# Altium PCB SG1.PcbDoc (part 2 of 3)
Units mil, origin at the board's own origin, x right, y up, seen from the top; angles counter-clockwise.
Board outline 5869 x 5955 mil, 6 copper layers (Top Layer, GND, PWR, SIGN, GND (Plane2), Bottom Layer), stack 61.068 mil thick; 119 components, 91 nets, 465 pads, 399 vias.
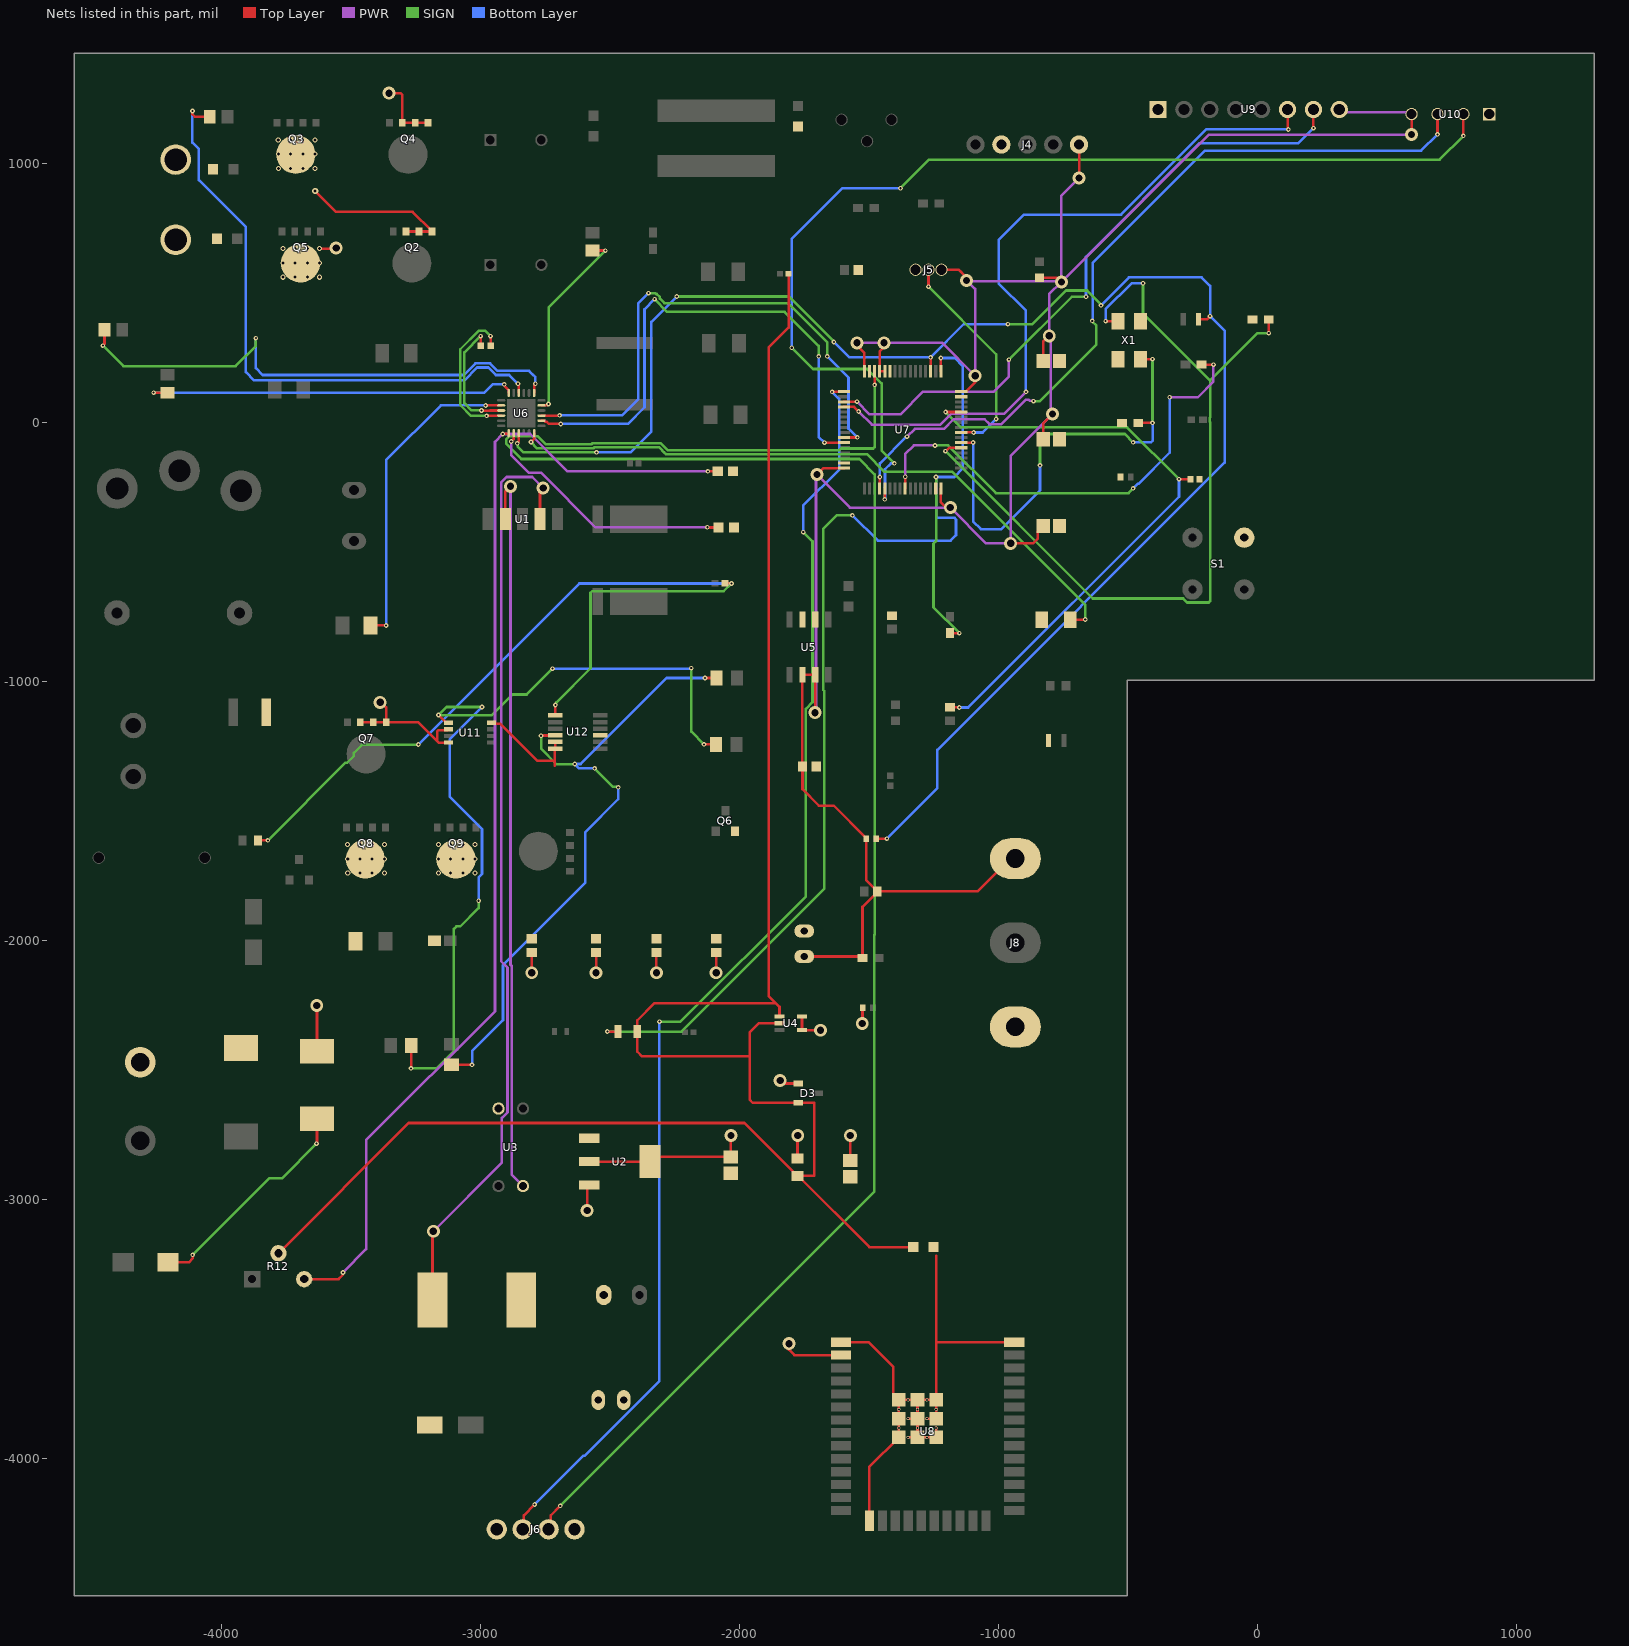
[diagram p6: the nets of this part, all layers, seen from the top]

## Part data (continued)
D7: "DIODE SCHOTTKY 40V 1A DO214AC", Capacitance @ Vr, F="65pF @ 4V, 1MHz", Current - Average Rectified (Io)=1A, Current - Reverse Leakage @ Vr="500 µA @ 40 V", Manufacturer="Comchip Technology", Operating Temperature - Junction="-55°C ~ 125°C", Package / Case="DO-214AC, SMA", Supplier Device Package="DO-214AC (SMA)", Supplier Part Number 1=641-1872-1-ND, Voltage - DC Reverse (Vr) (Max)="40 V", Voltage - Forward (Vf) (Max) @ If="500 mV @ 1 A", ComponentLink1Description=Datasheet, ComponentLink1URL=http://www.comchiptech.com/admin/files/product/ACDBA140-HF%20RevA666308.pdf, ComponentLink2Description="DigiKey Link", ComponentLink2URL=https://www.digikey.com/en/products/detail/comchip-technology/ACDBA140-HF/7100722, Diode Type=Schottky, lastupdated="3.06.2024 19:54:32", Lifecycle Status=Active, Minimum Order=1, Mounting Type="Surface Mount", Packaging=TapeAndReel, Part Number=ACDBA140-HF, Part Status=Active, PartId=2046, price=0.07, Series="Automotive, AEC-Q101", Speed="Fast Recovery =< 500ns, > 200mA (Io)", Supplier 1=DigiKey
D8: "SMAJ Series 400 W 24 V Uni-Directional Surface Mount TVS Diode - DO-214AC", Breakdown Voltage=28.1V, Case/Package=SMA, Clamping Voltage=38.9V, Forward Voltage=3.5V, Leakage Current=1µA, Manufacturer=Littelfuse, Max Breakdown Voltage=29.5V, Max Junction Temperature (Tj)=150°C, Max Output current=10.3A, Max Power Dissipation=3.3W, Min Breakdown Voltage=26.7V, Min Operating Temperature=-65°C, Operating Supply Voltage=24V, Peak Pulse Power=400W, Power Line Protection=No, Test Current=1mA, Category="TVS Diodes", China RoHS=Non-Compliant, ComponentLink1Description=https://datasheet.octopart.com:443/SMAJ24A-Littelfuse-datasheet-150463581.pdf?src-supplier=Farnell, ComponentLink1URL=https://datasheet.octopart.com:443/SMAJ24A-Littelfuse-datasheet-150463581.pdf?src-supplier=Farnell, ComponentLink2Description=https://datasheet.octopart.com:443/SMAJ24A-Littelfuse-datasheet-63710798.pdf?src-supplier=element14+APAC, ComponentLink2URL=https://datasheet.octopart.com:443/SMAJ24A-Littelfuse-datasheet-63710798.pdf?src-supplier=element14+APAC, ComponentLink3Description=https://datasheet.octopart.com:443/SMAJ24A-Littelfuse-datasheet-11547152.pdf?src-supplier=element14+APAC, ComponentLink3URL=https://datasheet.octopart.com:443/SMAJ24A-Littelfuse-datasheet-11547152.pdf?src-supplier=element14+APAC, ComponentLink4Description=https://datasheet.octopart.com:443/SMAJ24A-Littelfuse-datasheet-5393952.pdf?src-supplier=element14+APAC, ComponentLink4URL=https://datasheet.octopart.com:443/SMAJ24A-Littelfuse-datasheet-5393952.pdf?src-supplier=element14+APAC, ComponentLink5Description=https://datasheet.octopart.com:443/SMAJ24A-Littelfuse-datasheet-511791.pdf?src-supplier=element14+APAC, ComponentLink5URL=https://datasheet.octopart.com:443/SMAJ24A-Littelfuse-datasheet-511791.pdf?src-supplier=element14+APAC, ComponentLink6Description=https://datasheet.octopart.com:443/SMAJ24A-Littelfuse-datasheet-164649624.pdf?src-supplier=JRH+Electronics, ComponentLink6URL=https://datasheet.octopart.com:443/SMAJ24A-Littelfuse-datasheet-164649624.pdf?src-supplier=JRH+Electronics, ComponentLink7Description=https://datasheet.octopart.com:443/SMAJ24A-Littelfuse-datasheet-38878911.pdf?src-supplier=RS+(Formerly+Allied+Electronics), ComponentLink7URL=https://datasheet.octopart.com:443/SMAJ24A-Littelfuse-datasheet-38878911.pdf?src-supplier=RS+(Formerly+Allied+Electronics), ComponentLink8Description=https://datasheet.octopart.com:443/SMAJ24A-Littelfuse-datasheet-17901671.pdf?src-supplier=Future+Electronics, ComponentLink8URL=https://datasheet.octopart.com:443/SMAJ24A-Littelfuse-datasheet-17901671.pdf?src-supplier=Future+Electronics, ComponentLink9Description=https://datasheet.octopart.com:443/SMAJ24A-Littelfuse-datasheet-1053.pdf?src-supplier=DigiKey, ComponentLink9URL=https://datasheet.octopart.com:443/SMAJ24A-Littelfuse-datasheet-1053.pdf?src-supplier=DigiKey, Composition=Zener, Direction=Unidirectional, Element Configuration=Single, Export Control Classification Number (ECCN) Code=EAR99, Harmonized Tariff Schedule (HTS) Code=8541.10.00.50, Height=2.29mm, Lead Free="Lead Free", Length=4.5mm, Lifecycle Status=Production, Manufacturer Part Number=SMAJ24A, Max Operating Temperature=150°C, Max Reverse Leakage Current=1µA, Max Surge Current=10.3A, Mounting Technology="Surface Mount", Number of Channels=1, Number of Elements=1, Number of Terminals=2, Number of Unidirectional Channels=1, Packaging="Tape & Reel", Peak Pulse Current=10.3A, Peak Reverse Current=1µA, Pins=2, Polarity=Unidirectional, Power Dissipation=400W, Power Rating=400W, Pricing="5000=0,121, 15000=0,106 (EUR)", Radiation Hardening=No, REACH SVHC=No, Reverse Breakdown Voltage=26.7V, Reverse Standoff Voltage=24V, Reverse Voltage=24V, RoHS=Compliant, Schedule B="8541100080, 8541100080|8541100080|8541100080|8541100080|8541100080", Stock=10000, Supplier=Farnell, Supplier Part Number=SMAJ24A, Termination=SMD/SMT, Voltage Rating (DC)=24V, Width=2.79mm, Introduction Date=2003-11-20
F1: "SMD Fuse, Fast Acting, 60 A, 250 VAC, 100 VDC, 3812 [10030 Metric], SF-3812F-T", Current Rating=60A, Manufacturer=Bourns, Max Operating Temperature=125°C, Min Operating Temperature=-55°C, Voltage Rating=250V, Voltage Rating (DC)=100V, Category=Fuses, ComponentLink1Description=https://datasheet.octopart.com:443/SF-3812F6000T-2-Bourns-datasheet-169981795.pdf?src-supplier=Upverter, ComponentLink1URL=https://datasheet.octopart.com:443/SF-3812F6000T-2-Bourns-datasheet-169981795.pdf?src-supplier=Upverter, ComponentLink2Description=http://sigma.octopart.com:80/conflict_mineral_statement/Bourns-company-36.pdf?src-supplier=Compliance+Statements, ComponentLink2URL=http://sigma.octopart.com:80/conflict_mineral_statement/Bourns-company-36.pdf?src-supplier=Compliance+Statements, Country of Origin=Taiwan, Export Control Classification Number (ECCN) Code=EAR99, Fuse Current=60A, Harmonized Tariff Schedule (HTS) Code=8536.10.00.40, Height=3.1mm, Length=10.1mm, Lifecycle Status=Production, Manufacturer Part Number=SF-3812F6000T-2, Mounting Technology="Surface Mount", Pricing="5000=2,08 (EUR)", REACH SVHC=No, RoHS=Compliant, Supplier=Farnell, Supplier Part Number=SF-3812F6000T-2, Voltage Rating (AC)=250V, Introduction Date=2021-05-18
IC1: "MOSFET N-CH 30V 4A SOT23", Current - Continuous Drain (Id) @ 25°C="4A (Ta)", Drain to Source Voltage (Vdss)="30 V", Drive Voltage (Max Rds On,  Min Rds On)="2.5V, 10V", Manufacturer="Diodes Incorporated", Operating Temperature="-55°C ~ 150°C (TJ)", Package / Case="TO-236-3, SC-59, SOT-23-3", Power Dissipation (Max)="1.4W (Ta)", Supplier Device Package=SOT-23-3, Supplier Part Number 1=DMG3402L-7DICT-ND, Input Capacitance (Ciss) (Max) @ Vds="464 pF @ 15 V", ComponentLink1Description=Datasheet, ComponentLink1URL=https://www.diodes.com/assets/Datasheets/DMG3402L.pdf, ComponentLink2Description="DigiKey Link", ComponentLink2URL=https://www.digikey.com/en/products/detail/diodes-incorporated/DMG3402L-7/4747630, FET Type=N-Channel, Gate Charge (Qg) (Max) @ Vgs="11.7 nC @ 10 V", lastupdated="3.06.2024 20:15:16", Lifecycle Status=Active, Minimum Order=1, Mounting Type="Surface Mount", Packaging=TapeAndReel, Part Number=DMG3402L-7, Part Status=Active, price=0.05, Rds On (Max) @ Id, Vgs="52mOhm @ 4A, 10V", Series=-, Supplier 1=DigiKey, Technology="MOSFET (Metal Oxide)", Vgs (Max)=±12V, Vgs(th) (Max) @ Id="1.4V @ 250µA"
J1: library part "Terminal Block - 2pin"
J7: library part "691 101 710 002", "Conn Terminal Block 2 POS 5mm Solder ST Thru-Hole 16A Box", Color=Blue, Current=16A, Manufacturer="Wurth Elektronik", Manufacturer Part Number=691101710002, Max Operating Temperature=105°C, Min Operating Temperature=-40°C, Supplier Part Number=710-691101710002, Voltage=250V, Category="Terminal Blocks", ComponentLink1Description=https://datasheet.octopart.com:443/691101710002-W%C3%BCrth-Elektronik-datasheet-117282612.pdf?src-supplier=Farnell, ComponentLink1URL=https://datasheet.octopart.com:443/691101710002-W%C3%BCrth-Elektronik-datasheet-117282612.pdf?src-supplier=Farnell, ComponentLink2Description=https://datasheet.octopart.com:443/691101710002-W%C3%BCrth-Elektronik-Midcom-datasheet-10621893.pdf?src-supplier=Farnell, ComponentLink2URL=https://datasheet.octopart.com:443/691101710002-W%C3%BCrth-Elektronik-Midcom-datasheet-10621893.pdf?src-supplier=Farnell, ComponentLink3Description=https://datasheet.octopart.com:443/691101710002-Wurth-Elektronik-datasheet-181965939.pdf?src-supplier=Wurth+Elektronik, ComponentLink3URL=https://datasheet.octopart.com:443/691101710002-Wurth-Elektronik-datasheet-181965939.pdf?src-supplier=Wurth+Elektronik, ComponentLink4Description=https://datasheet.octopart.com:443/691101710002-W%C3%BCrth-Elektronik-Midcom-datasheet-10468440.pdf?src-supplier=Newark, ComponentLink4URL=https://datasheet.octopart.com:443/691101710002-W%C3%BCrth-Elektronik-Midcom-datasheet-10468440.pdf?src-supplier=Newark, ComponentLink5Description=https://datasheet.octopart.com:443/691101710002-W%C3%BCrth-Elektronik-Midcom-datasheet-5404435.pdf?src-supplier=element14+APAC, ComponentLink5URL=https://datasheet.octopart.com:443/691101710002-W%C3%BCrth-Elektronik-Midcom-datasheet-5404435.pdf?src-supplier=element14+APAC, ComponentLink6Description=https://datasheet.octopart.com:443/691101710002-W%C3%BCrth-Elektronik-datasheet-111088173.pdf?src-supplier=RS+(Formerly+Allied+Electronics), ComponentLink6URL=https://datasheet.octopart.com:443/691101710002-W%C3%BCrth-Elektronik-datasheet-111088173.pdf?src-supplier=RS+(Formerly+Allied+Electronics), Contact Material=Brass, Contact Plating=Tin, Current Rating=16A, Height=12.6mm, Housing Material=Nylon, Lead Pitch=5mm, Length=10mm, Mounting Technology="Through Hole", Number of Contacts=2, Number of Levels=1, Number of Positions Per Level=2, Number of Rows=1, Packaging=Box, Pins=2, Pitch=5mm, Plating=Steel, Pricing="1=0,73, 10=0,657, 50=0,653, 100=0,653, 1000=0,653, 10000=0,653 (USD)", RoHS=Compliant, Stock=2054, Stripping Length=-7mm, Supplier=Mouser, Termination=Screw, Voltage Rating=250V, Width=11.2mm, Wire Gauge (Max)=26AWG, Wire Gauge (Min)=14AWG, Wire/Cable Gauge=26AWG
J8: "CONN BARRIER STRIP 3CIRC 0.325\"", Color=Black, Current Rating (Amps)=20A, Manufacturer="TE Connectivity AMP Connectors", Supplier Part Number 1=A98473-ND, Voltage Rating=150V, Barrier Type="2 Wall (Dual)", Bottom Termination="PC Pin", ComponentLink1Description=Datasheet, ComponentLink1URL=https://www.te.com/commerce/DocumentDelivery/DDEController?Action=srchrtrv&DocNm=2-1437667-4&DocType=Customer+Drawing&DocLang=English, ComponentLink2Description="DigiKey Link", ComponentLink2URL=http://digikey.com/product-detail/en/te-connectivity-amp-connectors/4DB-P108-03/A98473-ND/1277424, lastupdated="15.01.2020 04:13:53", Lifecycle Status=Active, Minimum Order=1, Number of Circuits=3, Number of Rows=1, Number of Wire Entries=3, Packaging=Bulk, Part Number=4DB-P108-03, Part Status=Active, Pitch="0.325\" (8.26mm)", price=1.18, Series="4DB, Buchanan", Supplier 1=DigiKey, Terminal Block Type="Barrier Block", Top Termination="Screws with Captive Plate", Wire Gauge="12-22 AWG"
L1: library part CAP33uH, "Inductor Power Shielded Wirewound 33uH 20% 1KHz 27Q-Factor Ferrite 3A 60mOhm DCR T/R", Current Rating=3A, DC Resistance (DCR)=60mΩ, Manufacturer=Bourns, Manufacturer Part Number=SRR1260-330M, Max Operating Temperature=125°C, Min Operating Temperature=-40°C, Self Resonant Frequency=9.97MHz, Supplier Part Number=2859170, Test Frequency=1kHz, Tolerance=20%, Category="Fixed Inductors", China RoHS=Compliant, ComponentLink1Description=https://datasheet.octopart.com:443/SRR1260-330M-Bourns-datasheet-165058512.pdf?src-supplier=IHS, ComponentLink1URL=https://datasheet.octopart.com:443/SRR1260-330M-Bourns-datasheet-165058512.pdf?src-supplier=IHS, ComponentLink2Description=https://datasheet.octopart.com:443/SRR1260-330M-Bourns-datasheet-10635436.pdf?src-supplier=Farnell, ComponentLink2URL=https://datasheet.octopart.com:443/SRR1260-330M-Bourns-datasheet-10635436.pdf?src-supplier=Farnell, ComponentLink3Description=https://datasheet.octopart.com:443/SRR1260-330M-Bourns-datasheet-104271399.pdf?src-supplier=Farnell, ComponentLink3URL=https://datasheet.octopart.com:443/SRR1260-330M-Bourns-datasheet-104271399.pdf?src-supplier=Farnell, ComponentLink4Description=https://datasheet.octopart.com:443/SRR1260-330M-Bourns-datasheet-41191777.pdf?src-supplier=Electro+Sonic, ComponentLink4URL=https://datasheet.octopart.com:443/SRR1260-330M-Bourns-datasheet-41191777.pdf?src-supplier=Electro+Sonic, ComponentLink5Description=https://datasheet.octopart.com:443/SRR1260-330M-Bourns-datasheet-154729982.pdf?src-supplier=Electro+Sonic, ComponentLink5URL=https://datasheet.octopart.com:443/SRR1260-330M-Bourns-datasheet-154729982.pdf?src-supplier=Electro+Sonic, ComponentLink6Description=https://datasheet.octopart.com:443/SRR1260-330M-Bourns-datasheet-78856879.pdf?src-supplier=element14+APAC, ComponentLink6URL=https://datasheet.octopart.com:443/SRR1260-330M-Bourns-datasheet-78856879.pdf?src-supplier=element14+APAC, ComponentLink7Description=https://datasheet.octopart.com:443/SRR1260-330M-Bourns-datasheet-531572.pdf?src-supplier=element14, ComponentLink7URL=https://datasheet.octopart.com:443/SRR1260-330M-Bourns-datasheet-531572.pdf?src-supplier=element14, ComponentLink8Description=https://datasheet.octopart.com:443/SRR1260-330M-Bourns-datasheet-95952708.pdf?src-supplier=Burklin+Elektronik, ComponentLink8URL=https://datasheet.octopart.com:443/SRR1260-330M-Bourns-datasheet-95952708.pdf?src-supplier=Burklin+Elektronik, ComponentLink9Description=https://datasheet.octopart.com:443/SRR1260-330M-Bourns-datasheet-15703909.pdf?src-supplier=RS+(Formerly+Allied+Electronics), ComponentLink9URL=https://datasheet.octopart.com:443/SRR1260-330M-Bourns-datasheet-15703909.pdf?src-supplier=RS+(Formerly+Allied+Electronics), ComponentLink10Description=http://sigma.octopart.com:80/conflict_mineral_statement/Bourns-company-36.pdf?src-supplier=Compliance+Statements, ComponentLink10URL=http://sigma.octopart.com:80/conflict_mineral_statement/Bourns-company-36.pdf?src-supplier=Compliance+Statements, Core Material=Ferrite, Height=6mm, Lifecycle Status=Production, Max Current Rating=3A, Number of Circuits=1, Number of Terminals=2, Packaging="Tape & Reel", Pins=2, Pricing="1=0,97, 10=0,797, 50=0,765, 100=0,626, 200=0,579, 600=0,531 (EUR)", Q Factor=27, REACH SVHC=Yes, RoHS=Compliant, Schedule B="8504500000, 8504500000|8504500000, 8504500000|8504500000|8504500000, 8504500000|8504500000|8504500000|8504500000", Shielding=Yes, Stock=6737, Supplier=Farnell, Width=12.5mm, Inductance Tolerance=20%
Q1: "Small Signal Bipolar Transistor, 0.8A I(C), 45V V(BR)CEO, 1-Element, NPN, Silicon, TO-92", Case/Package=TO-92, Clock Frequency=100MHz, Collector Emitter Breakdown Voltage=45V, Collector Emitter Saturation Voltage=700mV, Emitter Base Voltage (VEBO)=5V, Manufacturer=onsemi, Manufacturer Lifecycle Status=ACTIVE, Manufacturer Part Number=BC33725TA, Max Collector Current=800mA, Max Junction Temperature (Tj)=150°C, Max Power Dissipation=625mW, Min Operating Temperature=-55°C, Supplier Part Number=5194590, Category=BJTs, China RoHS=Compliant, Collector Emitter Voltage (VCEO)=45V, ComponentLink1Description=https://datasheet.octopart.com:443/BC33725TA-ON-Semiconductor-datasheet-137315713.pdf?src-supplier=JRH+Electronics, ComponentLink1URL=https://datasheet.octopart.com:443/BC33725TA-ON-Semiconductor-datasheet-137315713.pdf?src-supplier=JRH+Electronics, ComponentLink2Description=https://datasheet.octopart.com:443/BC33725TA-onsemi-datasheet-180957929.pdf?src-supplier=IHS, ComponentLink2URL=https://datasheet.octopart.com:443/BC33725TA-onsemi-datasheet-180957929.pdf?src-supplier=IHS, ComponentLink3Description=https://datasheet.octopart.com:443/BC33725TA-Fairchild-Semiconductor-datasheet-49270557.pdf?src-supplier=IHS, ComponentLink3URL=https://datasheet.octopart.com:443/BC33725TA-Fairchild-Semiconductor-datasheet-49270557.pdf?src-supplier=IHS, ComponentLink4Description=https://datasheet.octopart.com:443/BC33725TA-ON-Semiconductor-datasheet-13072.pdf?src-supplier=Fairchild+Semiconductor, ComponentLink4URL=https://datasheet.octopart.com:443/BC33725TA-ON-Semiconductor-datasheet-13072.pdf?src-supplier=Fairchild+Semiconductor, ComponentLink5Description=https://datasheet.octopart.com:443/BC33725TA-Fairchild-Semiconductor-datasheet-10379962.pdf?src-supplier=Fairchild+Semiconductor, ComponentLink5URL=https://datasheet.octopart.com:443/BC33725TA-Fairchild-Semiconductor-datasheet-10379962.pdf?src-supplier=Fairchild+Semiconductor, ComponentLink6Description=https://sigma.octopart.com:443/33035202/technical_drawing/Fairchild-Semiconductor-BC33725TA.pdf?src-supplier=Fairchild+Semiconductor, ComponentLink6URL=https://sigma.octopart.com:443/33035202/technical_drawing/Fairchild-Semiconductor-BC33725TA.pdf?src-supplier=Fairchild+Semiconductor, ComponentLink7Description=https://sigma.octopart.com:443/17343939/technical_drawing/Fairchild-Semiconductor-BC33725TA.pdf?src-supplier=Fairchild+Semiconductor, ComponentLink7URL=https://sigma.octopart.com:443/17343939/technical_drawing/Fairchild-Semiconductor-BC33725TA.pdf?src-supplier=Fairchild+Semiconductor, ComponentLink8Description=https://datasheet.octopart.com:443/BC33725TA-ON-Semiconductor-datasheet-8330525.pdf?src-supplier=onsemi, ComponentLink8URL=https://datasheet.octopart.com:443/BC33725TA-ON-Semiconductor-datasheet-8330525.pdf?src-supplier=onsemi, ComponentLink9Description=https://datasheet.octopart.com:443/BC33725TA-ON-Semiconductor-datasheet-498802.pdf?src-supplier=onsemi, ComponentLink9URL=https://datasheet.octopart.com:443/BC33725TA-ON-Semiconductor-datasheet-498802.pdf?src-supplier=onsemi, ComponentLink10Description=https://datasheet.octopart.com:443/BC33725TA-ON-Semiconductor-datasheet-86688491.pdf?src-supplier=onsemi, ComponentLink10URL=https://datasheet.octopart.com:443/BC33725TA-ON-Semiconductor-datasheet-86688491.pdf?src-supplier=onsemi, ComponentLink11Description=https://datasheet.octopart.com:443/BC33725TA-ON-Semiconductor-datasheet-94100688.pdf?src-supplier=element14+APAC, ComponentLink11URL=https://datasheet.octopart.com:443/BC33725TA-ON-Semiconductor-datasheet-94100688.pdf?src-supplier=element14+APAC, ComponentLink12Description=https://datasheet.octopart.com:443/BC33725TA-onsemi-datasheet-34433467.pdf?src-supplier=Farnell, ComponentLink12URL=https://datasheet.octopart.com:443/BC33725TA-onsemi-datasheet-34433467.pdf?src-supplier=Farnell, ComponentLink13Description=https://datasheet.octopart.com:443/BC33725TA-ON-Semiconductor-datasheet-86684068.pdf?src-supplier=Farnell, ComponentLink13URL=https://datasheet.octopart.com:443/BC33725TA-ON-Semiconductor-datasheet-86684068.pdf?src-supplier=Farnell, ComponentLink14Description=https://datasheet.octopart.com:443/BC33725TA-Fairchild-Semiconductor-datasheet-38327704.pdf?src-supplier=Farnell, ComponentLink14URL=https://datasheet.octopart.com:443/BC33725TA-Fairchild-Semiconductor-datasheet-38327704.pdf?src-supplier=Farnell, ComponentLink15Description=https://datasheet.octopart.com:443/BC33725TA-Fairchild-Semiconductor-datasheet-41473365.pdf?src-supplier=Farnell, ComponentLink15URL=https://datasheet.octopart.com:443/BC33725TA-Fairchild-Semiconductor-datasheet-41473365.pdf?src-supplier=Farnell, ComponentLink16Description=https://datasheet.octopart.com:443/BC33725TA-Fairchild-datasheet-7627855.pdf?src-supplier=Jameco, ComponentLink16URL=https://datasheet.octopart.com:443/BC33725TA-Fairchild-datasheet-7627855.pdf?src-supplier=Jameco, ComponentLink17Description=https://datasheet.octopart.com:443/BC33725TA-ON-Semiconductor-datasheet-147640423.pdf?src-supplier=Jameco, ComponentLink17URL=https://datasheet.octopart.com:443/BC33725TA-ON-Semiconductor-datasheet-147640423.pdf?src-supplier=Jameco, ComponentLink18Description=https://datasheet.octopart.com:443/BC33725TA-ON-Semiconductor-datasheet-44607075.pdf?src-supplier=Newark, ComponentLink18URL=https://datasheet.octopart.com:443/BC33725TA-ON-Semiconductor-datasheet-44607075.pdf?src-supplier=Newark, ComponentLink19Description=https://datasheet.octopart.com:443/BC33725TA-Fairchild-Semiconductor-datasheet-33192856.pdf?src-supplier=Newark, ComponentLink19URL=https://datasheet.octopart.com:443/BC33725TA-Fairchild-Semiconductor-datasheet-33192856.pdf?src-supplier=Newark, ComponentLink20Description=https://datasheet.octopart.com:443/BC33725TA-ON-Semiconductor-datasheet-81454738.pdf?src-supplier=TME, ComponentLink20URL=https://datasheet.octopart.com:443/BC33725TA-ON-Semiconductor-datasheet-81454738.pdf?src-supplier=TME, ComponentLink21Description=http://sigma.octopart.com:80/150605282/rohs_statement/ON-Semiconductor-BC33725TA.pdf?src-supplier=Compliance+Statements, ComponentLink21URL=http://sigma.octopart.com:80/150605282/rohs_statement/ON-Semiconductor-BC33725TA.pdf?src-supplier=Compliance+Statements, ComponentLink22Description=http://sigma.octopart.com:80/23426707/materials_sheet/Fairchild-Semiconductor-BC33725TA.pdf?src-supplier=Compliance+Statements, ComponentLink22URL=http://sigma.octopart.com:80/23426707/materials_sheet/Fairchild-Semiconductor-BC33725TA.pdf?src-supplier=Compliance+Statements, ComponentLink23Description=http://sigma.octopart.com:80/23426706/rohs_statement/Fairchild-Semiconductor-BC33725TA.pdf?src-supplier=Compliance+Statements, ComponentLink23URL=http://sigma.octopart.com:80/23426706/rohs_statement/Fairchild-Semiconductor-BC33725TA.pdf?src-supplier=Compliance+Statements, ComponentLink24Description=http://sigma.octopart.com:80/33052040/reach_statement/Fairchild-Semiconductor-BC33725TA.pdf?src-supplier=Compliance+Statements, ComponentLink24URL=http://sigma.octopart.com:80/33052040/reach_statement/Fairchild-Semiconductor-BC33725TA.pdf?src-supplier=Compliance+Statements, ComponentLink25Description=http://sigma.octopart.com:80/33052160/materials_sheet/Fairchild-Semiconductor-BC33725TA.pdf?src-supplier=Compliance+Statements, ComponentLink25URL=http://sigma.octopart.com:80/33052160/materials_sheet/Fairchild-Semiconductor-BC33725TA.pdf?src-supplier=Compliance+Statements, ComponentLink26Description=http://sigma.octopart.com:80/reach_statement/ON-Semiconductor-company-79.pdf?src-supplier=Compliance+Statements, ComponentLink26URL=http://sigma.octopart.com:80/reach_statement/ON-Semiconductor-company-79.pdf?src-supplier=Compliance+Statements, ComponentLink27Description=http://sigma.octopart.com:80/rohs_statement/Fairchild-Semiconductor-company-11.pdf?src-supplier=Compliance+Statements, ComponentLink27URL=http://sigma.octopart.com:80/rohs_statement/Fairchild-Semiconductor-company-11.pdf?src-supplier=Compliance+Statements, ComponentLink28Description=http://sigma.octopart.com:80/rohs_statement/Fairchild-Semiconductor-company-10.pdf?src-supplier=Compliance+Statements, ComponentLink28URL=http://sigma.octopart.com:80/rohs_statement/Fairchild-Semiconductor-company-10.pdf?src-supplier=Compliance+Statements, ComponentLink29Description=http://sigma.octopart.com:80/reach_statement/Fairchild-Semiconductor-company-9.pdf?src-supplier=Compliance+Statements, ComponentLink29URL=http://sigma.octopart.com:80/reach_statement/Fairchild-Semiconductor-company-9.pdf?src-supplier=Compliance+Statements, ComponentLink30Description=https://octopart.com:443/opatz8j6/c1?t=7tgkbhl7hNOlxvHAamqH0m269kpp9v6sGlRTOBaT6YYzEhLHvcWBeIWNMqzhK9FPZgl-AG_-qkbktRXwtanp--AFB2z5Yej5linCCK3okaZeH_qn_zjvbhtIYiaoQv1yV6MP79n_gTQ_S-gxxdk2XvXb2fzp_nw7FvZqj61EeKKpPXvGZsG0byaEmYTsEd1mEcWjFDLHcl11PSUDlHBHUFVg-qAVcNcD5KYPtuqcJCbrOVxmpG0ioK0vvHo8n0fScx4vCZ95bgvxAMgfLRrMo0yLNQdqFrCJfXJyZvuU3um222Lv7_8iKj3zKng7ZoQ4rVRgSg-F-_O3BVcDToBjHjyBtNGyDINbgkTQ&src-supplier=Compliance+Statements, ComponentLink30URL=https://octopart.com:443/opatz8j6/c1?t=7tgkbhl7hNOlxvHAamqH0m269kpp9v6sGlRTOBaT6YYzEhLHvcWBeIWNMqzhK9FPZgl-AG_-qkbktRXwtanp--AFB2z5Yej5linCCK3okaZeH_qn_zjvbhtIYiaoQv1yV6MP79n_gTQ_S-gxxdk2XvXb2fzp_nw7FvZqj61EeKKpPXvGZsG0byaEmYTsEd1mEcWjFDLHcl11PSUDlHBHUFVg-qAVcNcD5KYPtuqcJCbrOVxmpG0ioK0vvHo8n0fScx4vCZ95bgvxAMgfLRrMo0yLNQdqFrCJfXJyZvuU3um222Lv7_8iKj3zKng7ZoQ4rVRgSg-F-_O3BVcDToBjHjyBtNGyDINbgkTQ&src-supplier=Compliance+Statements, ComponentLink31Description=https://octopart.com:443/opatz8j6/c1?t=DgGuX_kL8AP-LdQEoY-gRP9PTloT94hhxKM2YdEaxOl8FGHS_zv2ZkydayasGw1YmBBlMCZlY4bKoiBWyvBUddEqcsTPjFVS2QZtk4GQF5ptMFUWJvApi1htCeSvZOrTKl36iUEfCU0GqwGxGi9_A0YgUCGuZ0ZYZwhfOZhc7Kcd2Va_E4xClJwhY6OdxEPu5b3YSjBTXFRfMrx_dG8gt7cYIFOv9W2YgN8xS8H7aXbrYgqsfjWK5lQCwPEC9eVHzi-q7-kgeRzPeyerPeCZvjlm4uBx7RbfE1Uw2dPaVjLg4Cx5JClPeS0fkHV_FO__Yf0RFH6_UrQyzMOPbf_qnsvkFbfXsTPLRL8T2g&src-supplier=Compliance+Statements, ComponentLink31URL=https://octopart.com:443/opatz8j6/c1?t=DgGuX_kL8AP-LdQEoY-gRP9PTloT94hhxKM2YdEaxOl8FGHS_zv2ZkydayasGw1YmBBlMCZlY4bKoiBWyvBUddEqcsTPjFVS2QZtk4GQF5ptMFUWJvApi1htCeSvZOrTKl36iUEfCU0GqwGxGi9_A0YgUCGuZ0ZYZwhfOZhc7Kcd2Va_E4xClJwhY6OdxEPu5b3YSjBTXFRfMrx_dG8gt7cYIFOv9W2YgN8xS8H7aXbrYgqsfjWK5lQCwPEC9eVHzi-q7-kgeRzPeyerPeCZvjlm4uBx7RbfE1Uw2dPaVjLg4Cx5JClPeS0fkHV_FO__Yf0RFH6_UrQyzMOPbf_qnsvkFbfXsTPLRL8T2g&src-supplier=Compliance+Statements, Contact Plating=Tin, Element Configuration=Single, Frequency=100MHz, Gain Bandwidth Product=100MHz, Height=8.77mm, hFE Min=160, Lead Free="Lead Free", Length=5.2mm, Lifecycle Status=Production, Max Breakdown Voltage=45V, Max Operating Temperature=150°C, Mounting Technology="Through Hole", Number of Elements=1, Number of Terminals=3, Pins=3, Polarity=NPN, Power Dissipation=625mW, Pricing="2000=0,0373, 6000=0,0363, 10000=0,0359, 20000=0,0353, 40000=0,0344 (USD)", Radiation Hardening=No, REACH SVHC=Yes, RoHS=Compliant, Schedule B="8541210080, 8541210080|8541210080, 8541210080|8541210080|8541210080, 8541210080|8541210080|8541210080|8541210080", Stock=472000, Supplier="Future Electronics", Transition Frequency=100MHz, Weight=240mg, Width=4.19mm
Q2 Q3 Q4 Q5 Q7 Q8 Q9 Q10: "Transistor: N-MOSFET; unipolar; 40V; 100A; 139W; PG-TDSON-8", Continuous Drain Current (ID)=37A, Drain to Source Breakdown Voltage=40V, Drain to Source Resistance=1.4mΩ, Gate to Source Voltage (Vgs)=20V, Manufacturer=Infineon, Manufacturer Part Number=BSC010N04LSIATMA1, Max Junction Temperature (Tj)=150°C, Max Power Dissipation=139W, Min Operating Temperature=-55°C, On-State Resistance=1.05mΩ, Package Quantity=5000, Power Dissipation=2.5W, Input Capacitance=6.2nF, Category=MOSFETs, China RoHS=Non-Compliant, ComponentLink1Description=https://datasheet.octopart.com:443/BSC010N04LSIATMA1-Infineon-datasheet-82520598.pdf?src-supplier=ODG+(Origin+Data+Global), ComponentLink1URL=https://datasheet.octopart.com:443/BSC010N04LSIATMA1-Infineon-datasheet-82520598.pdf?src-supplier=ODG+(Origin+Data+Global), ComponentLink2Description=https://datasheet.octopart.com:443/BSC010N04LSIATMA1-Infineon-datasheet-62293607.pdf?src-supplier=TME, ComponentLink2URL=https://datasheet.octopart.com:443/BSC010N04LSIATMA1-Infineon-datasheet-62293607.pdf?src-supplier=TME, ComponentLink3Description=http://sigma.octopart.com:80/conflict_mineral_statement/Infineon-company-51.pdf?src-supplier=Compliance+Statements, ComponentLink3URL=http://sigma.octopart.com:80/conflict_mineral_statement/Infineon-company-51.pdf?src-supplier=Compliance+Statements, Country of Origin="Germany, Mainland China", Drain to Source Voltage (Vdss)=40V, Export Control Classification Number (ECCN) Code=EAR99, Fall Time=17ns, Halogen Free="Halogen Free", Height=1.1mm, Lead Free="Contains Lead", Lifecycle Status=Production, Max Dual Supply Voltage=40V, Max Operating Temperature=150°C, Min Breakdown Voltage=40V, Mounting Technology="Surface Mount", Number of Channels=1, Number of Elements=1, Number of Terminals=8, Packaging="Tape & Reel", Pins=8, Pricing="5=3,14, 50=2,04, 250=1,46, 1000=1,02, 3000=1 (EUR)", Rds On Max=1.05mΩ, REACH SVHC=No, Rise Time=48ns, RoHS=Compliant, Schedule B="8541290080, 8541290080|8541290080|8541290080|8541290080|8541290080|8541290080|8541290080|8541290080|8541290080|8541290080|8541290080|8541290080|8541290080|8541290080|8541290080|8541290080|8541290080|8541290080|8541290080|8541290080|8541290080|8541290080|8541290080|85", Stock=10731, Supplier=Farnell, Supplier Part Number=BSC010N04LSIATMA1, Turn-Off Delay Time=33ns, Turn-On Delay Time=9ns, Introduction Date=2012-02-06
Q6: "TRANS NPN 40V 0.2A SOT23-3", Current - Collector (Ic) (Max)="200 mA", Current - Collector Cutoff (Max)="50nA (ICBO)", DC Current Gain (hFE) (Min) @ Ic, Vce="100 @ 10mA, 1V", Frequency - Transition=300MHz, Manufacturer="Diodes Incorporated", Operating Temperature="-55°C ~ 150°C (TJ)", Package / Case="TO-236-3, SC-59, SOT-23-3", Power - Max="300 mW", Supplier Device Package=SOT-23-3, Supplier Part Number 1=MMBT3904-FDICT-ND, Voltage - Collector Emitter Breakdown (Max)="40 V", ComponentLink1Description=Datasheet, ComponentLink1URL=https://www.diodes.com/assets/Datasheets/ds30036.pdf, ComponentLink2Description="DigiKey Link", ComponentLink2URL=https://www.digikey.com/en/products/detail/diodes-incorporated/MMBT3904-7-F/814494, lastupdated="3.06.2024 20:24:11", Lifecycle Status=Active, Minimum Order=1, Mounting Type="Surface Mount", Packaging=TapeAndReel, Part Number=MMBT3904-7-F, Part Status=Active, PartId=85, price=0.01, Series=-, Supplier 1=DigiKey, Transistor Type=NPN, Vce Saturation (Max) @ Ib, Ic="300mV @ 5mA, 50mA"
R1 R6 R7: library part RC0603FR-07330RL, "Res Thick Film 0603 330 Ohm 1% 0.1W(1/10W) ±100ppm/C Pad SMD T/R", Case Code (Metric)=7343, Case Code (Imperial)=2917, ESR (Equivalent Series Resistance)=800mΩ, Manufacturer="Yageo Group", Max Operating Temperature=155°C, Max Power Dissipation=100mW, Min Operating Temperature=-55°C, Supplier Part Number=9238425, Temperature Coefficient=100ppm/°C, Tolerance=1%, Voltage Rating=16V, Voltage Rating (AC)=50V, Working Voltage=75V, Case/Package=2917, Category="Chip SMD Resistors", China RoHS=Non-Compliant, ComponentLink1Description=https://datasheet.octopart.com:443/RC0603FR-07330RL-Yageo-datasheet-175887523.pdf?src-supplier=IHS, ComponentLink1URL=https://datasheet.octopart.com:443/RC0603FR-07330RL-Yageo-datasheet-175887523.pdf?src-supplier=IHS, ComponentLink2Description=https://datasheet.octopart.com:443/RC0603FR-07330RL-Yageo-datasheet-62067350.pdf?src-supplier=Newark, ComponentLink2URL=https://datasheet.octopart.com:443/RC0603FR-07330RL-Yageo-datasheet-62067350.pdf?src-supplier=Newark, ComponentLink3Description=https://datasheet.octopart.com:443/RC0603FR-07330RL-Yageo-datasheet-12596169.pdf?src-supplier=Newark, ComponentLink3URL=https://datasheet.octopart.com:443/RC0603FR-07330RL-Yageo-datasheet-12596169.pdf?src-supplier=Newark, ComponentLink4Description=https://datasheet.octopart.com:443/RC0603FR-07330RL-Yageo-datasheet-503470.pdf?src-supplier=Newark, ComponentLink4URL=https://datasheet.octopart.com:443/RC0603FR-07330RL-Yageo-datasheet-503470.pdf?src-supplier=Newark, ComponentLink5Description=https://datasheet.octopart.com:443/RC0603FR-07330RL-Yageo-datasheet-34211833.pdf?src-supplier=Newark, ComponentLink5URL=https://datasheet.octopart.com:443/RC0603FR-07330RL-Yageo-datasheet-34211833.pdf?src-supplier=Newark, ComponentLink6Description=https://datasheet.octopart.com:443/RC0603FR-07330RL-Yageo-datasheet-103092701.pdf?src-supplier=Upverter, ComponentLink6URL=https://datasheet.octopart.com:443/RC0603FR-07330RL-Yageo-datasheet-103092701.pdf?src-supplier=Upverter, ComponentLink7Description=https://datasheet.octopart.com:443/RC0603FR-07330RL-Yageo-datasheet-98239111.pdf?src-supplier=Upverter, ComponentLink7URL=https://datasheet.octopart.com:443/RC0603FR-07330RL-Yageo-datasheet-98239111.pdf?src-supplier=Upverter, ComponentLink8Description=https://datasheet.octopart.com:443/RC0603FR-07330RL-Yageo-datasheet-8328172.pdf?src-supplier=element14+APAC, ComponentLink8URL=https://datasheet.octopart.com:443/RC0603FR-07330RL-Yageo-datasheet-8328172.pdf?src-supplier=element14+APAC, ComponentLink9Description=https://datasheet.octopart.com:443/RC0603FR-07330RL-Yageo-datasheet-15599030.pdf?src-supplier=Future+Electronics, ComponentLink9URL=https://datasheet.octopart.com:443/RC0603FR-07330RL-Yageo-datasheet-15599030.pdf?src-supplier=Future+Electronics, ComponentLink10Description=https://datasheet.octopart.com:443/RC0603FR-07330RL-Yageo-datasheet-164759695.pdf?src-supplier=Future+Electronics, ComponentLink10URL=https://datasheet.octopart.com:443/RC0603FR-07330RL-Yageo-datasheet-164759695.pdf?src-supplier=Future+Electronics, ComponentLink11Description=https://datasheet.octopart.com:443/RC0603FR-07330RL-Yageo-datasheet-137700087.pdf?src-supplier=Future+Electronics, ComponentLink11URL=https://datasheet.octopart.com:443/RC0603FR-07330RL-Yageo-datasheet-137700087.pdf?src-supplier=Future+Electronics, ComponentLink12Description=https://datasheet.octopart.com:443/RC0603FR-07330RL-Yageo-datasheet-27584510.pdf?src-supplier=Future+Electronics, ComponentLink12URL=https://datasheet.octopart.com:443/RC0603FR-07330RL-Yageo-datasheet-27584510.pdf?src-supplier=Future+Electronics, ComponentLink13Description=https://datasheet.octopart.com:443/RC0603FR-07330RL-Yageo-datasheet-8324193.pdf?src-supplier=Future+Electronics, ComponentLink13URL=https://datasheet.octopart.com:443/RC0603FR-07330RL-Yageo-datasheet-8324193.pdf?src-supplier=Future+Electronics, ComponentLink14Description=https://datasheet.octopart.com:443/RC0603FR-07330RL-Yageo-datasheet-79472498.pdf?src-supplier=Megastar, ComponentLink14URL=https://datasheet.octopart.com:443/RC0603FR-07330RL-Yageo-datasheet-79472498.pdf?src-supplier=Megastar, ComponentLink15Description=https://datasheet.octopart.com/RC0603FR-07330RL-Yageo-datasheet-73766026.pdf, ComponentLink15URL=https://datasheet.octopart.com/RC0603FR-07330RL-Yageo-datasheet-73766026.pdf, ComponentLink16Description=https://datasheet.octopart.com:443/RC0603FR-07330RL-Yageo-datasheet-13691069.pdf?src-supplier=Farnell, ComponentLink16URL=https://datasheet.octopart.com:443/RC0603FR-07330RL-Yageo-datasheet-13691069.pdf?src-supplier=Farnell, ComponentLink17Description=https://datasheet.octopart.com:443/RC0603FR-07330RL-Yageo-datasheet-118562.pdf?src-supplier=DigiKey, ComponentLink17URL=https://datasheet.octopart.com:443/RC0603FR-07330RL-Yageo-datasheet-118562.pdf?src-supplier=DigiKey, ComponentLink18Description=http://sigma.octopart.com:80/conflict_mineral_statement/Yageo-company-3.pdf?src-supplier=Compliance+Statements, ComponentLink18URL=http://sigma.octopart.com:80/conflict_mineral_statement/Yageo-company-3.pdf?src-supplier=Compliance+Statements, ComponentLink19Description=http://sigma.octopart.com:80/rohs_statement/Yageo-company-2.pdf?src-supplier=Compliance+Statements, ComponentLink19URL=http://sigma.octopart.com:80/rohs_statement/Yageo-company-2.pdf?src-supplier=Compliance+Statements, Composition="Thick Film", Depth=800µm, Features="Moisture Resistant", Height=450µm, Lead Free="Lead Free", Length=7.3mm, Lifecycle Status=Production, Manufacturer Part Number=RC0603FR-07330RL, Mounting Technology="Surface Mount", Number of Terminals=2, Number of Terminations=2, Packaging="Tape and Reel", Pins=2, Power Dissipation=100mW, Power Rating=100mW, Pricing="10=0,0086, 100=0,0077, 500=0,0061, 1000=0,0046, 2500=0,0036 (EUR)", Radiation Hardening=No, REACH SVHC=Yes, RoHS=Compliant, Schedule B="8533210045, 8533210045|8533210045, 8533210045|8533210045|8533210045, 8533210045|8533210045|8533210045|8533210045", Stock=528709, Supplier=Farnell, Termination=SMD/SMT, Voltage Rating (DC)=16V, Width=800µm